# Allegro board 6089-119-RevB_08.brd (continued)
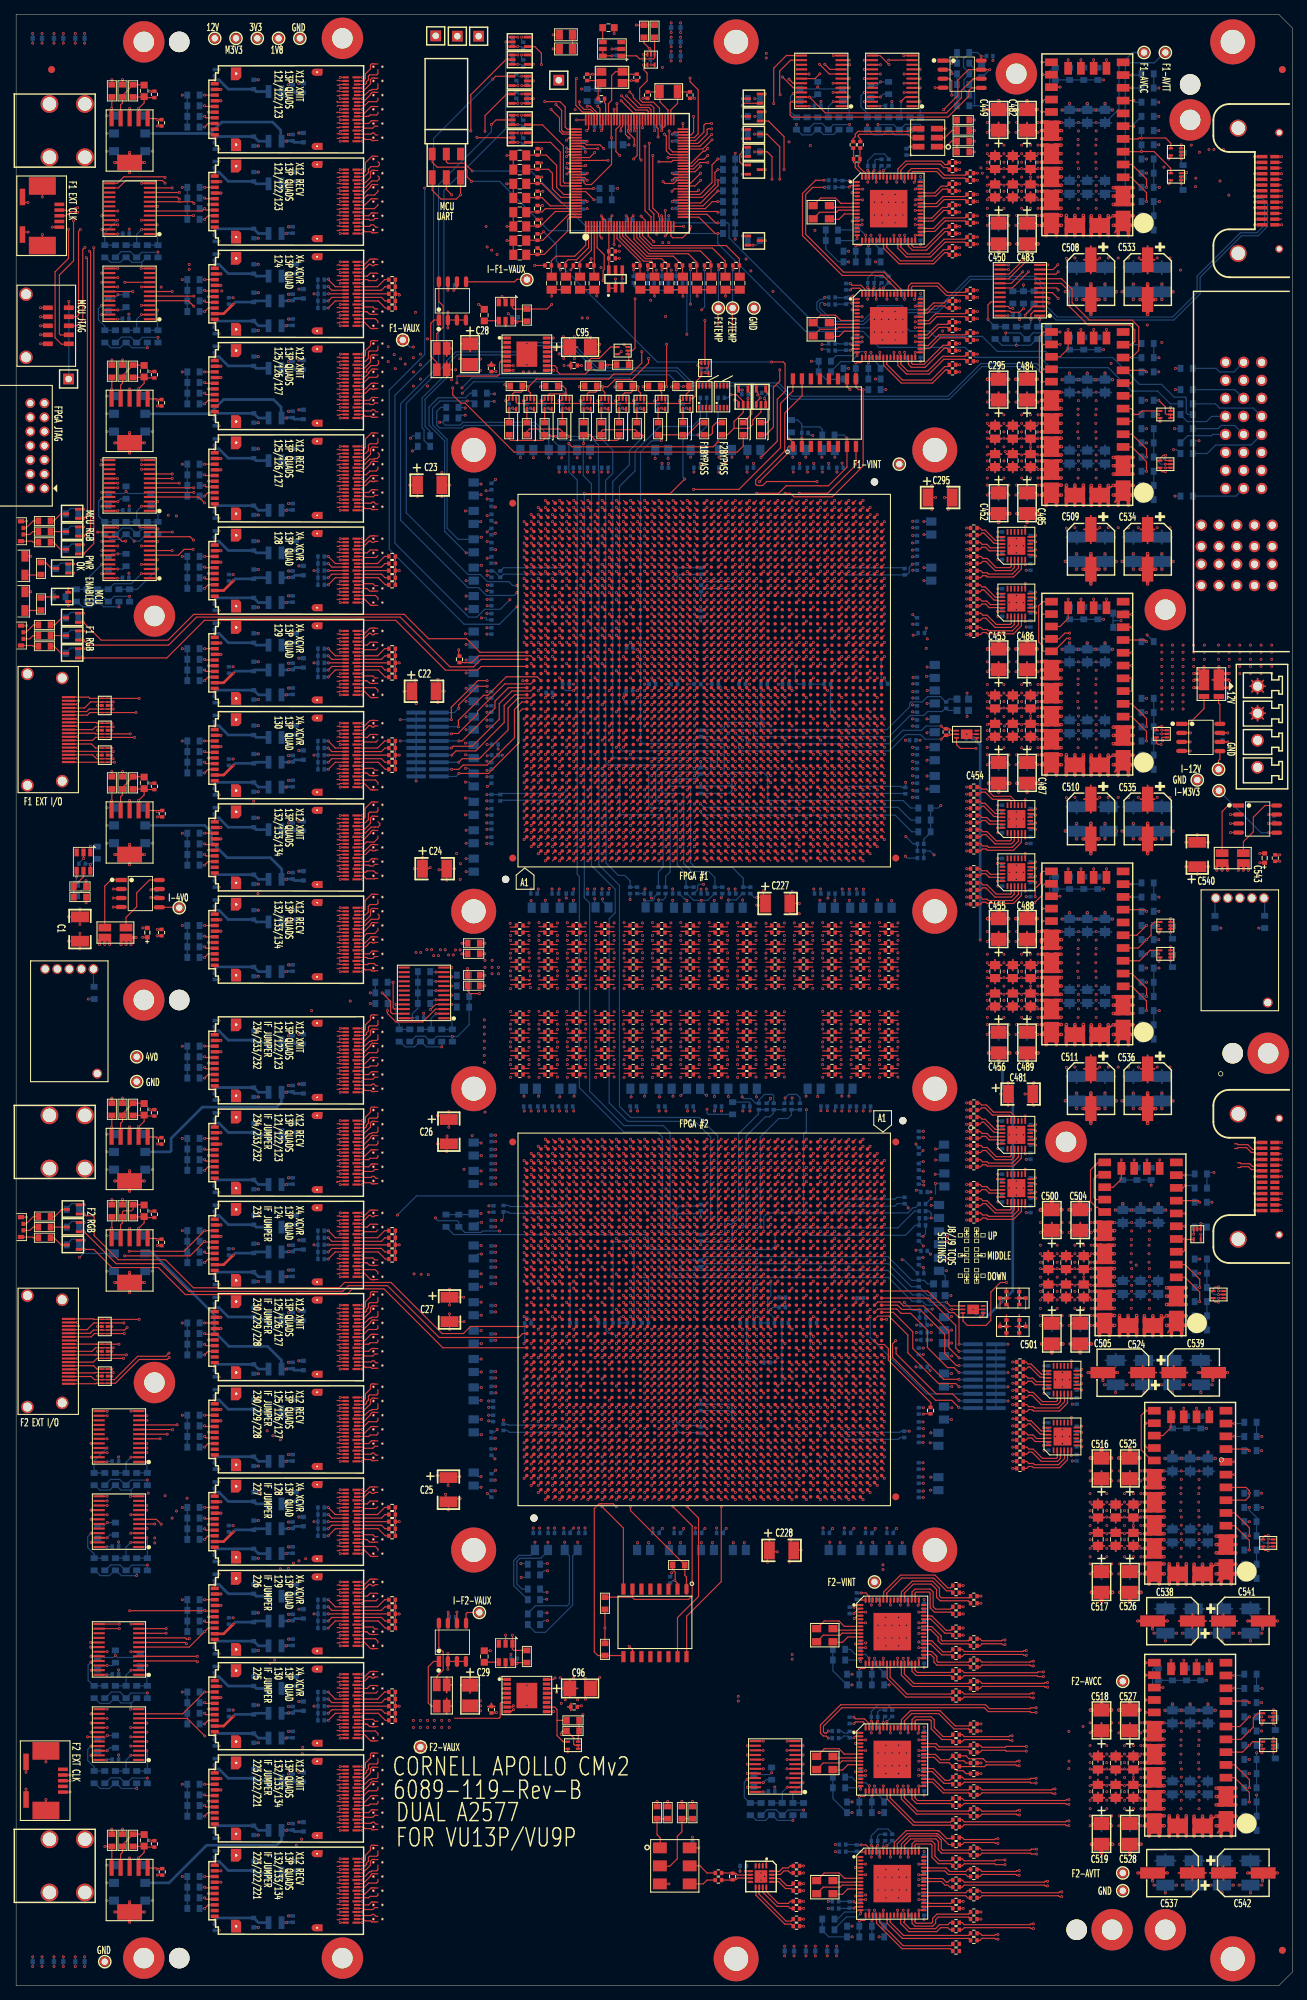
[diagram p0: board, top side]
## Routing (per net, layer and track width the routed paths; a pad name or vN(x,y) marks a point on that pad's centre or on a via; arc(x,y) is an arc through that point) (continued)
PF1_FF7_RECV0: length 80.2
  TOP w0.165: U31.B17 45.65,169.9 45.58,169.97 45.25,169.97 ; U75.U50 87.61,208.29
  SIG4 w0.083: 45.25,169.97 45.45,169.77 arc(45.48,169.75) 45.51,169.75 48.96,169.75 arc(49.22,169.8) 49.45,169.95 arc(49.56,170.02) 49.69,170.05 52.13,170.05 arc(53.1,170.24) 53.91,170.79 56.53,173.41 arc(56.55,173.46) 56.53,173.51 arc(56.51,173.57) 56.53,173.62 56.66,173.75 arc(56.71,173.77) 56.76,173.75 arc(56.82,173.72) 56.87,173.75 57,173.87 arc(57.02,173.93) 57,173.98 arc(56.98,174.03) 57,174.09 57.12,174.21 arc(57.18,174.24) 57.23,174.21 arc(57.29,174.19) 57.34,174.21 57.46,174.34 arc(57.49,174.39) 57.46,174.45 arc(57.44,174.5) 57.46,174.55 57.59,174.68 arc(57.64,174.7) 57.7,174.68 arc(57.75,174.66) 57.81,174.68 57.93,174.81 arc(57.95,174.86) 57.93,174.91 arc(57.91,174.97) 57.93,175.02 58.06,175.15 arc(58.11,175.17) 58.16,175.15 arc(58.22,175.13) 58.27,175.15 59.05,175.93 arc(59.6,176.74) 59.79,177.71 59.79,199.18 arc(59.95,199.97) 60.4,200.65 71.14,211.39 arc(71.7,211.77) 72.37,211.9 82.69,211.9 arc(83.44,211.75) 84.07,211.33 84.65,210.75 arc(85.09,210.09) 85.25,209.31 85.25,208.18 arc(85.27,208.06) 85.34,207.96 arc(85.46,207.88) 85.6,207.85 87.83,207.85 arc(87.89,207.86) 87.95,207.9 arc(88.02,208.01) 88.05,208.14 88.05,208.41 arc(87.97,208.61) 87.77,208.69 87.69,208.69 arc(87.63,208.66) 87.61,208.6 87.61,208.29
PF1_FF7_RECV1: length 76
  TOP w0.165: U75.T48 86.61,206.29 ; 51,169.28 51,169.55 50.65,169.9 U31.A17
  SIG3 w0.083: 86.61,206.29 86.61,206.6 arc(86.63,206.66) 86.69,206.69 86.77,206.69 arc(86.97,206.61) 87.05,206.41 87.05,206.14 arc(87.02,206.01) 86.95,205.9 arc(86.89,205.86) 86.83,205.85 84.6,205.85 arc(84.46,205.88) 84.34,205.96 arc(84.27,206.06) 84.25,206.18 84.25,209.38 arc(84.22,209.52) 84.14,209.63 84.08,209.7 arc(83.86,209.85) 83.59,209.9 79.8,209.9 arc(79.76,209.92) 79.74,209.95 arc(79.73,209.99) 79.69,210 79.47,210 arc(79.43,209.99) 79.41,209.95 arc(79.4,209.92) 79.36,209.9 79.14,209.9 arc(79.1,209.92) 79.08,209.95 arc(79.07,209.99) 79.03,210 78.81,210 arc(78.77,209.99) 78.75,209.95 arc(78.74,209.92) 78.7,209.9 78.48,209.9 arc(78.44,209.92) 78.42,209.95 arc(78.41,209.99) 78.37,210 78.15,210 arc(78.11,209.99) 78.09,209.95 arc(78.08,209.92) 78.04,209.9 77.82,209.9 arc(77.78,209.92) 77.76,209.95 arc(77.75,209.99) 77.71,210 77.49,210 arc(77.45,209.99) 77.43,209.95 arc(77.42,209.92) 77.38,209.9 77.16,209.9 arc(77.12,209.92) 77.1,209.95 arc(77.09,209.99) 77.05,210 76.83,210 arc(76.79,209.99) 76.77,209.95 arc(76.76,209.92) 76.72,209.9 71.41,209.9 arc(70.66,209.75) 70.04,209.33 60.43,199.73 arc(59.96,199.02) 59.79,198.18 59.79,176.97 arc(59.53,175.65) 58.78,174.52 53.88,169.63 arc(53.19,169.17) 52.37,169 52.17,169 arc(52.14,169.01) 52.11,169.03 52.11,169.04 arc(52.08,169.05) 52.05,169.06 52,169.06 51.88,169.18 arc(51.77,169.26) 51.64,169.28 51,169.28
PF1_FF7_RECV2: length 76.6
  TOP w0.165: U31.B14 45.65,171.4 45.58,171.47 45.25,171.47 ; U75.R50 85.61,208.29
  SIG4 w0.083: 85.61,208.29 85.61,208.6 arc(85.63,208.66) 85.69,208.69 85.77,208.69 arc(86.08,208.81) 86.2,209.11 86.2,209.65 arc(86.05,210.39) 85.64,211.01 84.39,212.26 arc(83.68,212.73) 82.84,212.9 71.94,212.9 arc(71.3,212.77) 70.76,212.41 59.41,201.06 arc(58.95,200.37) 58.79,199.56 58.79,177.92 arc(58.65,177.24) 58.27,176.66 54.34,172.73 arc(53.49,172.16) 52.48,171.96 50.55,171.96 arc(50.01,171.85) 49.55,171.55 arc(49.22,171.32) 48.82,171.25 45.51,171.25 arc(45.48,171.25) 45.45,171.27 45.25,171.47
PF1_FF7_RECV3: length 71.7
  TOP w0.165: U31.A14 48.86,171.4 49.01,171.55 50.3,171.55 50.57,171.28 51,171.28 ; U75.P48 84.61,206.29
  SIG3 w0.083: 51,171.28 51.64,171.28 arc(51.77,171.26) 51.88,171.18 52,171.06 52.05,171.06 arc(52.08,171.05) 52.11,171.04 52.11,171.03 arc(52.14,171.01) 52.17,171 52.19,171 arc(53.13,171.19) 53.93,171.73 58.01,175.81 arc(58.59,176.67) 58.79,177.69 58.79,197.99 arc(58.98,198.96) 59.53,199.78 69.95,210.2 arc(70.72,210.72) 71.64,210.9 84.18,210.9 arc(84.46,210.84) 84.7,210.69 84.87,210.52 arc(85.15,210.1) 85.25,209.6 85.25,207.16 arc(85.11,206.83) 84.77,206.69 84.69,206.69 arc(84.63,206.66) 84.61,206.6 84.61,206.29
PF1_FF7_XMIT0: length 64.4
  TOP w0.165: 51,177.52 50.57,177.52 50.42,177.37 50.18,177.37 49.99,177.56 49.75,177.56 49.09,176.9 U31.A3 ; U75.U45 87.61,203.29
  SIG2 w0.083: 51,177.52 51.64,177.52 arc(51.77,177.54) 51.88,177.62 52,177.74 52.05,177.74 arc(52.08,177.75) 52.11,177.76 52.11,177.77 arc(52.14,177.79) 52.17,177.8 54.72,177.8 arc(55.81,178.01) 56.73,178.63 57.4,179.3 arc(57.84,179.96) 58,180.75 58,194.4 arc(58.23,195.56) 58.88,196.53 68.27,205.92 arc(69.13,206.5) 70.16,206.7 85.75,206.7 arc(85.92,206.63) 85.99,206.46 85.99,204.05 arc(86.1,203.8) 86.35,203.69 87.3,203.69 arc(87.52,203.6) 87.61,203.38 87.61,203.29
PF1_FF7_XMIT1: length 66.4
  TOP w0.165: U75.T43 86.61,201.29 ; U31.B3 45.65,176.9 45.56,176.81 45.25,176.81
  SIG1 w0.083: 86.61,201.29 86.61,201.49 arc(86.55,201.64) 86.4,201.7 85.55,201.7 arc(85.2,201.85) 85.05,202.2 85.05,205.2 arc(84.9,205.55) 84.55,205.7 68.87,205.7 arc(68.11,205.55) 67.47,205.12 57.72,195.37 arc(57.19,194.57) 57,193.64 57,182.79 arc(56.82,181.87) 56.3,181.1 52.45,177.25 arc(51.89,176.87) 51.22,176.74 49.96,176.74 arc(49.69,176.8) 49.45,176.95 arc(49.36,177.01) 49.25,177.04 45.51,177.04 arc(45.48,177.03) 45.45,177.01 45.25,176.81
PF1_FF7_XMIT2: length 61.6
  TOP w0.165: U31.A6 48.86,175.4 49.01,175.25 50.73,175.25 51,175.52 ; U75.R45 85.61,203.29
  SIG2 w0.083: 85.61,203.29 85.61,203.58 arc(85.58,203.66) 85.5,203.69 85.37,203.69 arc(85.1,203.8) 84.99,204.07 84.99,205.41 arc(84.92,205.58) 84.75,205.65 70,205.65 arc(69.4,205.53) 68.89,205.19 59.75,196.05 arc(59.19,195.22) 59,194.24 59,180.85 arc(58.73,179.51) 57.97,178.37 56.23,176.63 arc(55.31,176.01) 54.22,175.8 52.17,175.8 arc(52.14,175.79) 52.11,175.77 52.11,175.76 arc(52.08,175.75) 52.05,175.74 52,175.74 51.88,175.62 arc(51.77,175.54) 51.64,175.52 51,175.52
PF1_FF7_XMIT3: length 64.6
  TOP w0.165: 45.25,175.31 45.56,175.31 45.65,175.4 U31.B6 ; U75.P43 84.61,201.29
  SIG1 w0.083: 45.25,175.31 45.45,175.51 arc(45.48,175.53) 45.51,175.54 49.02,175.54 arc(49.39,175.46) 49.7,175.25 arc(50.21,174.91) 50.82,174.79 51.97,174.79 arc(52.64,174.92) 53.2,175.3 57,179.1 arc(57.74,180.21) 58,181.51 58,193.48 arc(58.15,194.24) 58.58,194.88 67.67,203.97 arc(68.42,204.47) 69.31,204.65 78.65,204.65 arc(78.89,204.55) 78.99,204.31 78.99,202.2 arc(79.14,201.84) 79.5,201.69 84.3,201.69 arc(84.52,201.6) 84.61,201.38 84.61,201.29
PF1_G_RECV0: length 22
  TOP w0.165: C106.1 82.39,141.06 81.69,141.06 ; U75.N2 83.61,159.51
  SIG4 w0.083: 83.61,159.51 83.61,159.2 arc(83.63,159.14) 83.69,159.11 83.77,159.11 arc(84.08,158.99) 84.21,158.68 84.21,154.66 84.2,154.65 84.2,154.36 84.21,154.36 84.21,152.04 arc(84.17,151.63) 84.05,151.24 arc(84,151.09) 83.96,150.94 arc(83.95,150.9) 83.95,150.86 83.95,142.34 arc(83.64,141.6) 82.9,141.29 81.95,141.29 arc(81.92,141.28) 81.9,141.27 81.69,141.06
PF1_G_RECV1: length 21.2
  TOP w0.165: U75.M4 82.61,161.51 ; C104.1 82.39,143.56 81.69,143.56
  SIG4 w0.083: 81.69,143.56 81.9,143.77 arc(81.92,143.78) 81.95,143.79 82.8,143.79 arc(83.27,143.98) 83.46,144.45 83.46,151.43 arc(83.42,151.74) 83.3,152.03 arc(83.25,152.15) 83.22,152.27 arc(83.21,152.31) 83.21,152.36 83.21,160.68 arc(83.08,160.99) 82.77,161.11 82.69,161.11 arc(82.63,161.14) 82.61,161.2 82.61,161.51
PF1_G_RECV2: length 16.2
  TOP w0.165: U75.L2 81.61,159.51 ; 81.69,146.06 82.39,146.06 C102.1
  SIG4 w0.083: 81.61,159.51 81.61,159.2 arc(81.63,159.14) 81.69,159.11 81.77,159.11 arc(82.08,158.99) 82.21,158.68 82.21,152.36 arc(82.21,152.32) 82.23,152.28 82.35,151.97 arc(82.44,151.79) 82.55,151.63 arc(82.63,151.51) 82.71,151.37 arc(82.82,151.04) 82.86,150.7 82.86,146.95 arc(82.67,146.48) 82.2,146.29 81.95,146.29 arc(81.92,146.28) 81.9,146.27 81.69,146.06
PF1_G_RECV3: length 15.5
  TOP w0.165: C100.1 82.39,148.56 81.69,148.56 ; U75.K4 80.61,161.51
  SIG4 w0.083: 81.69,148.56 81.7,148.56 arc(81.76,148.59) 81.79,148.65 81.79,148.71 arc(81.81,148.77) 81.87,148.79 81.95,148.79 arc(82.2,148.89) 82.3,149.14 82.3,150.37 arc(82.18,150.95) 81.86,151.44 81.59,151.71 arc(81.31,152.13) 81.21,152.63 81.21,160.68 arc(81.08,160.99) 80.77,161.11 80.69,161.11 arc(80.63,161.14) 80.61,161.2 80.61,161.51
PF1_G_XMIT0: length 39.2
  TOP w0.165: U75.N7 83.61,164.51 ; 81.69,128.56 82.39,128.56 C114.2
  SIG3 w0.083: 81.69,128.56 81.9,128.77 arc(81.92,128.78) 81.95,128.79 82.04,128.79 arc(83.39,129.35) 83.95,130.7 83.95,153.88 arc(83.95,153.92) 83.96,153.96 83.97,154.01 arc(84,154.12) 84.04,154.22 84.05,154.24 arc(84.15,154.51) 84.21,154.79 arc(84.21,154.86) 84.23,154.93 arc(84.23,154.97) 84.23,155 84.23,163.65 arc(84.1,163.98) 83.77,164.11 83.69,164.11 arc(83.63,164.14) 83.61,164.2 83.61,164.51
PF1_G_XMIT1: length 38.5
  TOP w0.165: U75.M9 82.61,166.51 ; C112.2 82.39,131.06 81.69,131.06
  SIG3 w0.083: 81.69,131.06 81.81,131.18 arc(81.94,131.27) 82.1,131.3 82.68,131.3 arc(82.97,131.37) 83.2,131.57 arc(83.24,131.67) 83.26,131.77 83.26,165.66 arc(83.13,165.98) 82.81,166.11 82.7,166.11 arc(82.64,166.14) 82.61,166.2 82.61,166.51
PF1_G_XMIT2: length 33.6
  TOP w0.165: U75.L7 81.61,164.51 ; 81.69,133.56 82.39,133.56 C110.2
  SIG3 w0.083: 81.61,164.51 81.61,164.2 arc(81.63,164.14) 81.69,164.11 81.77,164.11 arc(82.12,163.97) 82.26,163.63 82.26,153.7 arc(82.26,153.64) 82.25,153.57 82.22,153.43 arc(82.21,153.39) 82.21,153.35 82.21,152.84 arc(82.22,152.78) 82.23,152.72 82.23,152.72 arc(82.25,152.66) 82.26,152.6 82.26,140.27 arc(82.26,140.23) 82.27,140.19 arc(82.4,139.85) 82.55,139.51 arc(82.67,139.21) 82.71,138.88 82.71,134.23 arc(82.68,134.1) 82.6,133.99 arc(82.33,133.84) 82.04,133.79 81.95,133.79 arc(81.92,133.78) 81.9,133.77 81.69,133.56
PF1_G_XMIT3: length 33.2
  TOP w0.165: C108.2 82.39,136.06 81.59,136.06 ; U75.K9 80.61,166.51
  SIG3 w0.083: 81.59,136.06 81.6,136.06 81.8,136.27 arc(81.82,136.28) 81.86,136.29 81.94,136.29 arc(82.16,136.38) 82.25,136.6 82.25,138.38 arc(82.12,139.04) 81.74,139.61 81.29,140.06 arc(81.19,140.21) 81.15,140.39 81.15,153.99 arc(81.16,154.12) 81.2,154.25 81.21,154.28 81.21,154.65 81.22,154.69 81.25,154.72 81.25,165.83 80.97,166.11 80.69,166.11 arc(80.63,166.14) 80.61,166.2 80.61,166.51
PF1_H_RECV0: length 22
  TOP w0.165: U75.J2 79.61,159.51 ; 77.69,141.06 78.39,141.06 C85.1
  SIG4 w0.083: 77.69,141.06 77.9,141.27 arc(77.92,141.28) 77.95,141.29 78.9,141.29 arc(79.64,141.6) 79.95,142.34 79.95,150.86 arc(79.95,150.9) 79.96,150.94 arc(80,151.09) 80.05,151.24 arc(80.17,151.63) 80.21,152.04 80.21,154.36 80.2,154.36 80.2,154.65 80.21,154.66 80.21,158.68 arc(80.08,158.99) 79.77,159.11 79.69,159.11 arc(79.63,159.14) 79.61,159.2 79.61,159.51
PF1_H_RECV1: length 21.2
  TOP w0.165: 77.69,143.56 78.39,143.56 C83.1 ; U75.H4 78.61,161.51
  SIG4 w0.083: 77.69,143.56 77.9,143.77 arc(77.92,143.78) 77.95,143.79 78.8,143.79 arc(79.27,143.98) 79.46,144.45 79.46,151.43 arc(79.42,151.74) 79.3,152.03 arc(79.25,152.15) 79.22,152.27 arc(79.21,152.31) 79.21,152.36 79.21,160.68 arc(79.08,160.99) 78.77,161.11 78.69,161.11 arc(78.63,161.14) 78.61,161.2 78.61,161.51
PF1_H_RECV2: length 16.2
  TOP w0.165: U75.G2 77.61,159.51 ; C81.1 78.39,146.06 77.69,146.06
  SIG4 w0.083: 77.69,146.06 77.9,146.27 arc(77.92,146.28) 77.95,146.29 78.2,146.29 arc(78.67,146.48) 78.86,146.95 78.86,150.7 arc(78.82,151.04) 78.71,151.37 arc(78.63,151.51) 78.55,151.63 arc(78.44,151.79) 78.35,151.97 78.23,152.28 arc(78.21,152.32) 78.21,152.36 78.21,158.68 arc(78.08,158.99) 77.77,159.11 77.69,159.11 arc(77.63,159.14) 77.61,159.2 77.61,159.51
PF1_H_RECV3: length 15.5
  TOP w0.165: U75.F4 76.61,161.51 ; 77.69,148.56 78.39,148.56 C79.1
  SIG4 w0.083: 77.69,148.56 77.7,148.56 arc(77.76,148.59) 77.79,148.65 77.79,148.71 arc(77.81,148.77) 77.87,148.79 77.95,148.79 arc(78.2,148.89) 78.3,149.14 78.3,150.37 arc(78.18,150.95) 77.86,151.44 77.59,151.71 arc(77.31,152.13) 77.21,152.63 77.21,160.68 arc(77.08,160.99) 76.77,161.11 76.69,161.11 arc(76.63,161.14) 76.61,161.2 76.61,161.51
PF1_H_XMIT0: length 39.2
  TOP w0.165: U75.J7 79.61,164.51 ; C93.2 78.39,128.56 77.69,128.56
  SIG3 w0.083: 79.61,164.51 79.61,164.2 arc(79.63,164.14) 79.69,164.11 79.77,164.11 arc(80.11,163.97) 80.25,163.64 80.25,155.03 arc(80.24,154.95) 80.22,154.88 arc(80.17,154.74) 80.11,154.6 arc(80.07,154.54) 80.03,154.48 arc(79.97,154.38) 79.95,154.26 79.95,130.7 arc(79.39,129.35) 78.04,128.79 77.95,128.79 arc(77.92,128.78) 77.9,128.77 77.69,128.56
PF1_H_XMIT1: length 38.5
  TOP w0.165: 77.69,131.06 78.39,131.06 C91.2 ; U75.H9 78.61,166.51
  SIG3 w0.083: 78.61,166.51 78.61,166.2 arc(78.64,166.14) 78.7,166.11 78.81,166.11 arc(79.13,165.98) 79.26,165.66 79.26,131.77 arc(79.24,131.67) 79.2,131.57 arc(78.97,131.37) 78.68,131.3 78.1,131.3 arc(77.94,131.27) 77.81,131.18 77.69,131.06
PF1_H_XMIT2: length 33.6
  TOP w0.165: U75.G7 77.61,164.51 ; 77.69,133.56 78.39,133.56 C89.2
  SIG3 w0.083: 77.61,164.51 77.61,164.2 arc(77.63,164.14) 77.69,164.11 77.77,164.11 arc(78.12,163.97) 78.26,163.63 78.26,153.7 arc(78.26,153.64) 78.25,153.57 78.22,153.43 arc(78.21,153.39) 78.21,153.35 78.21,152.84 arc(78.22,152.78) 78.23,152.72 78.23,152.72 arc(78.25,152.66) 78.26,152.6 78.26,140.27 arc(78.26,140.23) 78.27,140.19 arc(78.4,139.85) 78.55,139.51 arc(78.67,139.21) 78.71,138.88 78.71,134.23 arc(78.68,134.1) 78.6,133.99 arc(78.33,133.84) 78.04,133.79 77.95,133.79 arc(77.92,133.78) 77.9,133.77 77.69,133.56
PF1_H_XMIT3: length 33.2
  TOP w0.165: 77.6,136.06 78.39,136.06 C87.2 ; U75.F9 76.61,166.51
  SIG3 w0.083: 77.6,136.06 77.8,136.27 arc(77.82,136.28) 77.86,136.29 77.94,136.29 arc(78.16,136.38) 78.25,136.6 78.25,138.38 arc(78.12,139.04) 77.74,139.61 77.29,140.06 arc(77.19,140.21) 77.15,140.39 77.15,154.1 arc(77.16,154.24) 77.2,154.37 arc(77.24,154.5) 77.25,154.63 77.25,165.64 arc(77.11,165.97) 76.77,166.11 76.69,166.11 arc(76.63,166.14) 76.61,166.2 76.61,166.51
PF1_I_RECV0: length 22.2
  TOP w0.165: 73.69,141.06 74.39,141.06 C65.1 ; U75.E2 75.61,159.51
  SIG4 w0.083: 75.61,159.51 75.61,159.29 arc(75.66,159.16) 75.8,159.1 75.91,159.1 arc(76.11,159.01) 76.2,158.81 76.2,150.69 arc(76.2,150.63) 76.19,150.57 arc(76.15,150.41) 76.08,150.27 arc(75.99,150.05) 75.95,149.82 75.95,149.56 75.95,149.55 75.95,141.84 arc(75.79,141.46) 75.41,141.3 74.25,141.3 arc(73.95,141.24) 73.7,141.07 73.69,141.06
PF1_I_RECV1: length 21.1
  TOP w0.165: U75.D4 74.61,161.51 ; 73.69,143.56 74.39,143.56 C63.1
  SIG4 w0.083: 74.61,161.51 74.61,161.32 arc(74.66,161.2) 74.78,161.15 74.86,161.15 arc(75.11,161.05) 75.21,160.8 75.21,154.69 75.2,154.68 75.2,154.39 75.21,154.38 75.21,152.21 arc(75.25,151.91) 75.36,151.63 arc(75.46,151.38) 75.51,151.12 75.51,149.74 75.51,149.74 75.51,144.66 arc(75.26,144.05) 74.65,143.8 74.26,143.8 arc(73.95,143.74) 73.69,143.56
PF1_I_RECV2: length 22.3
  TOP w0.165: 73.69,149.23 74.38,149.23 C58.1 ; U75.E6 75.61,163.51
  SIG4 w0.083: 75.61,163.51 75.61,163.47 arc(75.5,163.21) 75.25,163.11 74.4,163.11 arc(74.27,163.17) 74.21,163.3 74.21,163.65 arc(74.07,163.97) 73.75,164.11 72.35,164.11 arc(72.1,164.01) 72,163.76 72,154.9 arc(71.99,154.85) 71.99,154.81 71.99,152.64 arc(72.01,152.52) 72.08,152.42 73.6,150.9 arc(73.98,150.33) 74.12,149.65 74.12,149.08 arc(74.09,149.02) 74.04,149 73.95,149 arc(73.92,149.01) 73.9,149.02 73.69,149.23
PF1_I_RECV3: length 20.5
  TOP w0.165: 73.69,146.73 74.38,146.73 C60.1 ; U75.C6 73.61,163.51
  SIG4 w0.083: 73.61,163.51 73.61,163.32 arc(73.56,163.21) 73.45,163.16 73.3,163.16 arc(73.08,163.07) 72.99,162.85 72.99,153.77 arc(73.23,152.56) 73.91,151.54 74.38,151.07 arc(74.73,150.55) 74.85,149.94 74.85,146.96 arc(74.72,146.64) 74.4,146.51 74.22,146.51 arc(73.93,146.57) 73.69,146.73
PF1_I_XMIT0: length 42.4
  TOP w0.165: 73.69,128.56 74.39,128.56 C73.2 ; U75.D9 74.61,166.51
  SIG3 w0.083: 74.61,166.51 74.61,166.49 arc(74.71,166.25) 74.95,166.15 75.8,166.15 arc(76.12,166.02) 76.25,165.7 76.25,154.83 arc(76.24,154.73) 76.22,154.63 arc(76.21,154.58) 76.21,154.52 arc(76.19,154.38) 76.11,154.26 arc(76.11,154.26) 76.1,154.25 arc(75.99,154.08) 75.95,153.89 75.95,130.04 arc(75.58,129.16) 74.7,128.79 73.95,128.79 arc(73.92,128.78) 73.9,128.77 73.69,128.56
PF1_I_XMIT1: length 39.4
  TOP w0.165: U75.B9 72.61,166.51 ; C71.2 74.39,131.06 73.69,131.06
  SIG3 w0.083: 73.69,131.06 73.9,131.27 arc(73.92,131.28) 73.95,131.29 74.25,131.29 arc(74.99,131.6) 75.3,132.34 75.3,152.99 arc(75.15,153.91) 74.71,154.72 arc(74.33,155.41) 74.2,156.19 74.2,165.75 arc(74.08,166.03) 73.8,166.15 73.05,166.15 arc(72.97,166.17) 72.91,166.21 72.61,166.51
PF1_I_XMIT2: length 38.8
  TOP w0.165: U75.C11 73.61,168.51 ; 73.7,134.23 74.38,134.23 C68.2
  SIG3 w0.083: 73.61,168.51 73.61,168.36 arc(73.53,168.18) 73.35,168.1 arc(73.1,168) 73,167.75 73,167.36 arc(72.92,167.15) 72.72,167.06 arc(72.7,167.06) 72.68,167.06 arc(72.45,167.04) 72.25,166.94 arc(72.24,166.92) 72.22,166.91 arc(72.19,166.89) 72.16,166.86 arc(72.03,166.67) 71.99,166.45 71.99,154.63 arc(72.05,154.34) 72.22,154.09 74.09,152.21 arc(74.42,151.71) 74.54,151.12 74.54,134.24 arc(74.47,134.07) 74.3,134 73.87,134 arc(73.81,134.02) 73.79,134.08 73.79,134.14 arc(73.76,134.2) 73.7,134.23
PF1_I_XMIT3: length 40.8
  TOP w0.165: C66.2 74.38,136.73 73.7,136.73 ; U75.E11 75.61,168.51
  SIG3 w0.083: 75.61,168.51 75.61,168.32 arc(75.55,168.17) 75.4,168.11 arc(75.27,168.17) 75.21,168.3 75.21,168.6 arc(75.06,168.96) 74.7,169.11 72.28,169.11 arc(72.08,169.02) 71.99,168.82 71.99,167.4 arc(71.99,167.36) 71.98,167.33 arc(71.96,167.28) 71.93,167.25 arc(71.89,167.21) 71.85,167.17 arc(71.83,167.16) 71.82,167.14 arc(71.8,167.13) 71.78,167.12 arc(71.74,167.11) 71.7,167.11 71.46,167.11 arc(71.06,166.95) 70.9,166.55 70.9,154.89 arc(71.12,153.79) 71.74,152.87 72.59,152.01 arc(72.92,151.51) 73.04,150.93 73.04,139.56 arc(73.1,139.29) 73.25,139.05 73.66,138.65 arc(73.98,138.17) 74.09,137.6 74.09,136.64 arc(74.05,136.54) 73.95,136.5 73.87,136.5 arc(73.81,136.52) 73.79,136.58 73.79,136.64 arc(73.76,136.7) 73.7,136.73
PF1_J_RECV0: length 25.7
  TOP w0.165: 69.69,141.73 70.38,141.73 C48.1 ; U75.A6 71.61,163.51
  SIG4 w0.083: 71.61,163.51 71.61,163.31 arc(71.56,163.18) 71.45,163.11 arc(71.42,163.11) 71.39,163.11 71.1,163.11 arc(70.89,163.02) 70.8,162.81 70.8,157.95 arc(70.85,157.68) 71.01,157.45 arc(71.29,157.02) 71.39,156.52 71.39,142.02 arc(71.37,141.9) 71.3,141.8 arc(70.97,141.58) 70.58,141.5 70.1,141.5 arc(69.93,141.53) 69.79,141.63 69.69,141.73
PF1_J_RECV1: length 41.9
  TOP w0.165: U75.A20 71.61,177.51 ; C46.1 70.38,144.23 69.69,144.23
  SIG4 w0.083: 71.61,177.51 71.61,177.29 arc(71.66,177.16) 71.8,177.1 arc(71.93,177.16) 71.99,177.29 71.99,177.6 arc(71.91,177.81) 71.7,177.89 71.22,177.89 arc(70.64,177.77) 70.14,177.44 67.96,175.26 arc(67.55,174.64) 67.4,173.91 67.4,169 67.6,168.8 67.6,168.47 67.4,168.27 67.4,167.94 67.6,167.74 67.6,167.41 67.4,167.21 67.4,166.88 67.6,166.68 67.6,166.35 67.4,166.15 67.4,165.82 67.6,165.62 67.6,165.29 67.4,165.09 67.4,164.76 67.6,164.56 67.6,164.23 67.4,164.03 67.4,163.7 67.6,163.5 67.6,163.17 67.4,162.97 67.4,162.64 67.6,162.44 67.6,162.11 67.4,161.91 67.4,146.01 arc(67.52,145.4) 67.87,144.88 68.77,143.97 arc(68.8,143.96) 68.83,143.95 69.25,143.95 arc(69.41,143.98) 69.54,144.07 69.69,144.23
PF1_J_RECV2: length 34
  TOP w0.165: U75.B18 72.61,175.51 ; C44.1 70.38,146.73 69.69,146.73
  SIG4 w0.083: 72.61,175.51 72.29,175.19 arc(72.2,175.13) 72.1,175.11 70.55,175.11 arc(70.01,174.89) 69.79,174.35 69.79,158.46 arc(69.93,157.77) 70.32,157.19 70.4,157.1 arc(70.7,156.66) 70.8,156.14 70.8,147.05 arc(70.64,146.66) 70.25,146.5 69.95,146.5 arc(69.92,146.51) 69.9,146.52 69.69,146.73
PF1_J_RECV3: length 34.5
  TOP w0.165: C42.1 70.32,149.17 69.64,149.17 ; U75.C20 73.61,177.51
  SIG4 w0.083: 69.64,149.17 69.67,149.13 arc(69.82,149.04) 70,149 70.21,149 arc(70.27,149.02) 70.29,149.08 70.29,155.52 arc(70.19,156.02) 69.91,156.44 69.66,156.7 arc(69.08,157.56) 68.88,158.57 68.88,173.57 arc(69.06,174.5) 69.59,175.29 69.92,175.61 arc(70.51,176.01) 71.21,176.15 72.8,176.15 arc(72.93,176.21) 72.99,176.34 72.99,176.7 arc(73.11,176.99) 73.4,177.11 73.5,177.11 arc(73.58,177.14) 73.61,177.22 73.61,177.51
PF1_J_XMIT0: length 44.4
  TOP w0.165: C56.2 70.38,129.23 69.69,129.23 ; U75.A11 71.61,168.51
  SIG3 w0.083: 69.69,129.23 69.9,129.02 arc(69.92,129.01) 69.95,129 70.7,129 arc(71.44,129.3) 71.74,130.04 71.74,133.51 arc(71.74,133.54) 71.74,133.56 arc(71.74,133.59) 71.74,133.61 71.74,133.62 arc(71.74,133.64) 71.74,133.66 71.74,150.83 arc(71.61,151.51) 71.22,152.08 70.79,152.51 arc(70.16,153.46) 69.94,154.57 69.94,167.3 arc(70.18,167.87) 70.75,168.11 71.25,168.11 arc(71.5,168.21) 71.61,168.47 71.61,168.51
PF1_J_XMIT1: length 45.8
  TOP w0.165: 69.69,131.73 70.38,131.73 C54.2 ; U75.B13 72.61,170.51
  SIG3 w0.083: 69.69,131.73 69.9,131.52 arc(69.92,131.51) 69.95,131.5 70.25,131.5 arc(70.84,131.75) 71.09,132.34 71.09,150.12 arc(70.96,150.76) 70.6,151.3 69.16,152.74 arc(68.3,154.03) 68,155.55 68,156.21 arc(68.11,156.75) 68.41,157.21 68.6,157.39 arc(68.89,157.83) 68.99,158.35 68.99,168.85 arc(69.37,169.78) 70.3,170.16 72.05,170.16 arc(72.24,170.2) 72.41,170.31 72.61,170.51
PF1_J_XMIT2: length 43
  TOP w0.165: C50.2 70.38,136.73 69.7,136.73 ; U75.A15 71.61,172.51
  SIG3 w0.083: 71.61,172.51 71.22,172.12 arc(71.21,172.11) 71.2,172.11 68.7,172.11 arc(67.42,171.58) 66.89,170.3 66.89,158.5 arc(66.83,158.21) 66.67,157.97 66.57,157.87 arc(66.47,157.72) 66.44,157.55 66.44,157.31 66.44,153.93 arc(66.64,152.9) 67.23,152.03 68.55,150.7 arc(68.91,150.16) 69.04,149.52 69.04,139.56 arc(69.1,139.29) 69.25,139.05 69.66,138.65 arc(69.98,138.17) 70.09,137.6 70.09,136.64 arc(70.05,136.54) 69.95,136.5 69.87,136.5 arc(69.81,136.52) 69.79,136.58 69.79,136.64 arc(69.76,136.7) 69.7,136.73
PF1_J_XMIT3: length 46.4
  TOP w0.165: U75.C15 73.61,172.51 ; 69.69,134.23 70.38,134.23 C52.2
  SIG3 w0.083: 73.61,172.51 73.25,172.15 arc(73.2,172.12) 73.15,172.11 72.55,172.11 arc(72.15,171.95) 71.99,171.55 71.99,171.3 arc(71.93,171.17) 71.8,171.11 69.7,171.11 arc(68.46,170.59) 67.94,169.35 67.94,158.3 arc(67.86,157.88) 67.62,157.52 67.61,157.51 arc(67.34,157.1) 67.24,156.62 67.24,154.67 arc(67.46,153.56) 68.09,152.61 69.66,151.04 arc(69.99,150.56) 70.1,149.98 70.1,140.94 arc(70.18,140.41) 70.41,139.93 arc(70.52,139.73) 70.58,139.51 arc(70.59,139.47) 70.59,139.43 70.59,134.49 arc(70.45,134.14) 70.1,134 69.95,134 arc(69.92,134.01) 69.9,134.02 69.69,134.23
PF1_M_RECV0: length 36.9
  TOP w0.165: C284.1 122.39,143.56 121.69,143.56 ; U75.BK18 121.39,175.51
  SIG4 w0.083: 121.69,143.56 121.9,143.77 arc(121.92,143.78) 121.95,143.79 122.85,143.79 arc(123.25,143.95) 123.41,144.35 123.41,150.88 arc(123.48,151.21) 123.66,151.5 arc(123.91,151.95) 124,152.46 124,173.69 arc(123.87,174.34) 123.5,174.9 arc(123.26,175.06) 122.98,175.11 121.47,175.11 arc(121.42,175.14) 121.39,175.2 121.39,175.51
PF1_M_RECV1: length 41.9
  TOP w0.165: 121.69,141.06 122.39,141.06 C286.1 ; U75.BL20 122.39,177.51
  SIG4 w0.083: 121.69,141.06 121.9,141.27 arc(121.92,141.28) 121.95,141.29 123.05,141.29 arc(123.66,141.54) 123.91,142.15 123.91,149.56 arc(124,150.02) 124.26,150.41 124.61,150.76 arc(124.9,151.19) 125,151.7 125,175.56 arc(124.55,176.66) 123.45,177.11 122.47,177.11 arc(122.42,177.14) 122.39,177.2 122.39,177.51
PF1_M_RECV2: length 20.1
  TOP w0.165: U75.BL6 122.39,163.51 ; 121.69,146.06 122.39,146.06 C282.1
  SIG4 w0.083: 122.39,163.51 122.39,163.2 arc(122.42,163.14) 122.47,163.11 122.56,163.11 arc(122.98,162.94) 123.16,162.51 123.16,153.56 arc(123.13,153.39) 123.04,153.25 123.04,153.25 arc(123.03,153.24) 123.03,153.24 122.99,153.18 arc(122.91,153.03) 122.87,152.87 arc(122.86,152.83) 122.86,152.79 122.86,147.11 arc(122.62,146.53) 122.04,146.29 121.95,146.29 arc(121.92,146.28) 121.9,146.27 121.69,146.06
PF1_M_RECV3: length 18.3
  TOP w0.165: C280.1 122.39,148.56 121.69,148.56 ; U75.BJ6 120.39,163.51
  SIG4 w0.083: 120.39,163.51 120.39,163.2 arc(120.42,163.14) 120.47,163.11 121.6,163.11 arc(121.89,162.99) 122.01,162.7 122.01,160.85 arc(122.04,160.77) 122.05,160.68 122.05,151.65 arc(122.07,151.52) 122.15,151.4 arc(122.3,151.18) 122.35,150.92 122.35,149.19 arc(122.23,148.91) 121.95,148.79 arc(121.84,148.75) 121.79,148.64 arc(121.76,148.59) 121.7,148.56 121.69,148.56
PF1_M_XMIT0: length 49.1
  TOP w0.165: C294.2 122.39,128.56 121.69,128.56 ; U75.BL15 122.39,172.51
  SIG3 w0.083: 122.39,172.51 122.39,172.2 arc(122.42,172.14) 122.47,172.11 123.2,172.11 arc(123.98,171.79) 124.31,171 124.31,170.5 arc(124.37,170.21) 124.53,169.97 124.67,169.82 arc(124.88,169.52) 124.95,169.16 124.95,151.82 arc(124.82,151.16) 124.44,150.59 124.18,150.33 arc(123.97,150.02) 123.9,149.65 123.9,129.59 arc(123.67,129.02) 123.1,128.79 121.95,128.79 arc(121.92,128.78) 121.9,128.77 121.69,128.56
